# KiCad board Luminography.kicad_pcb
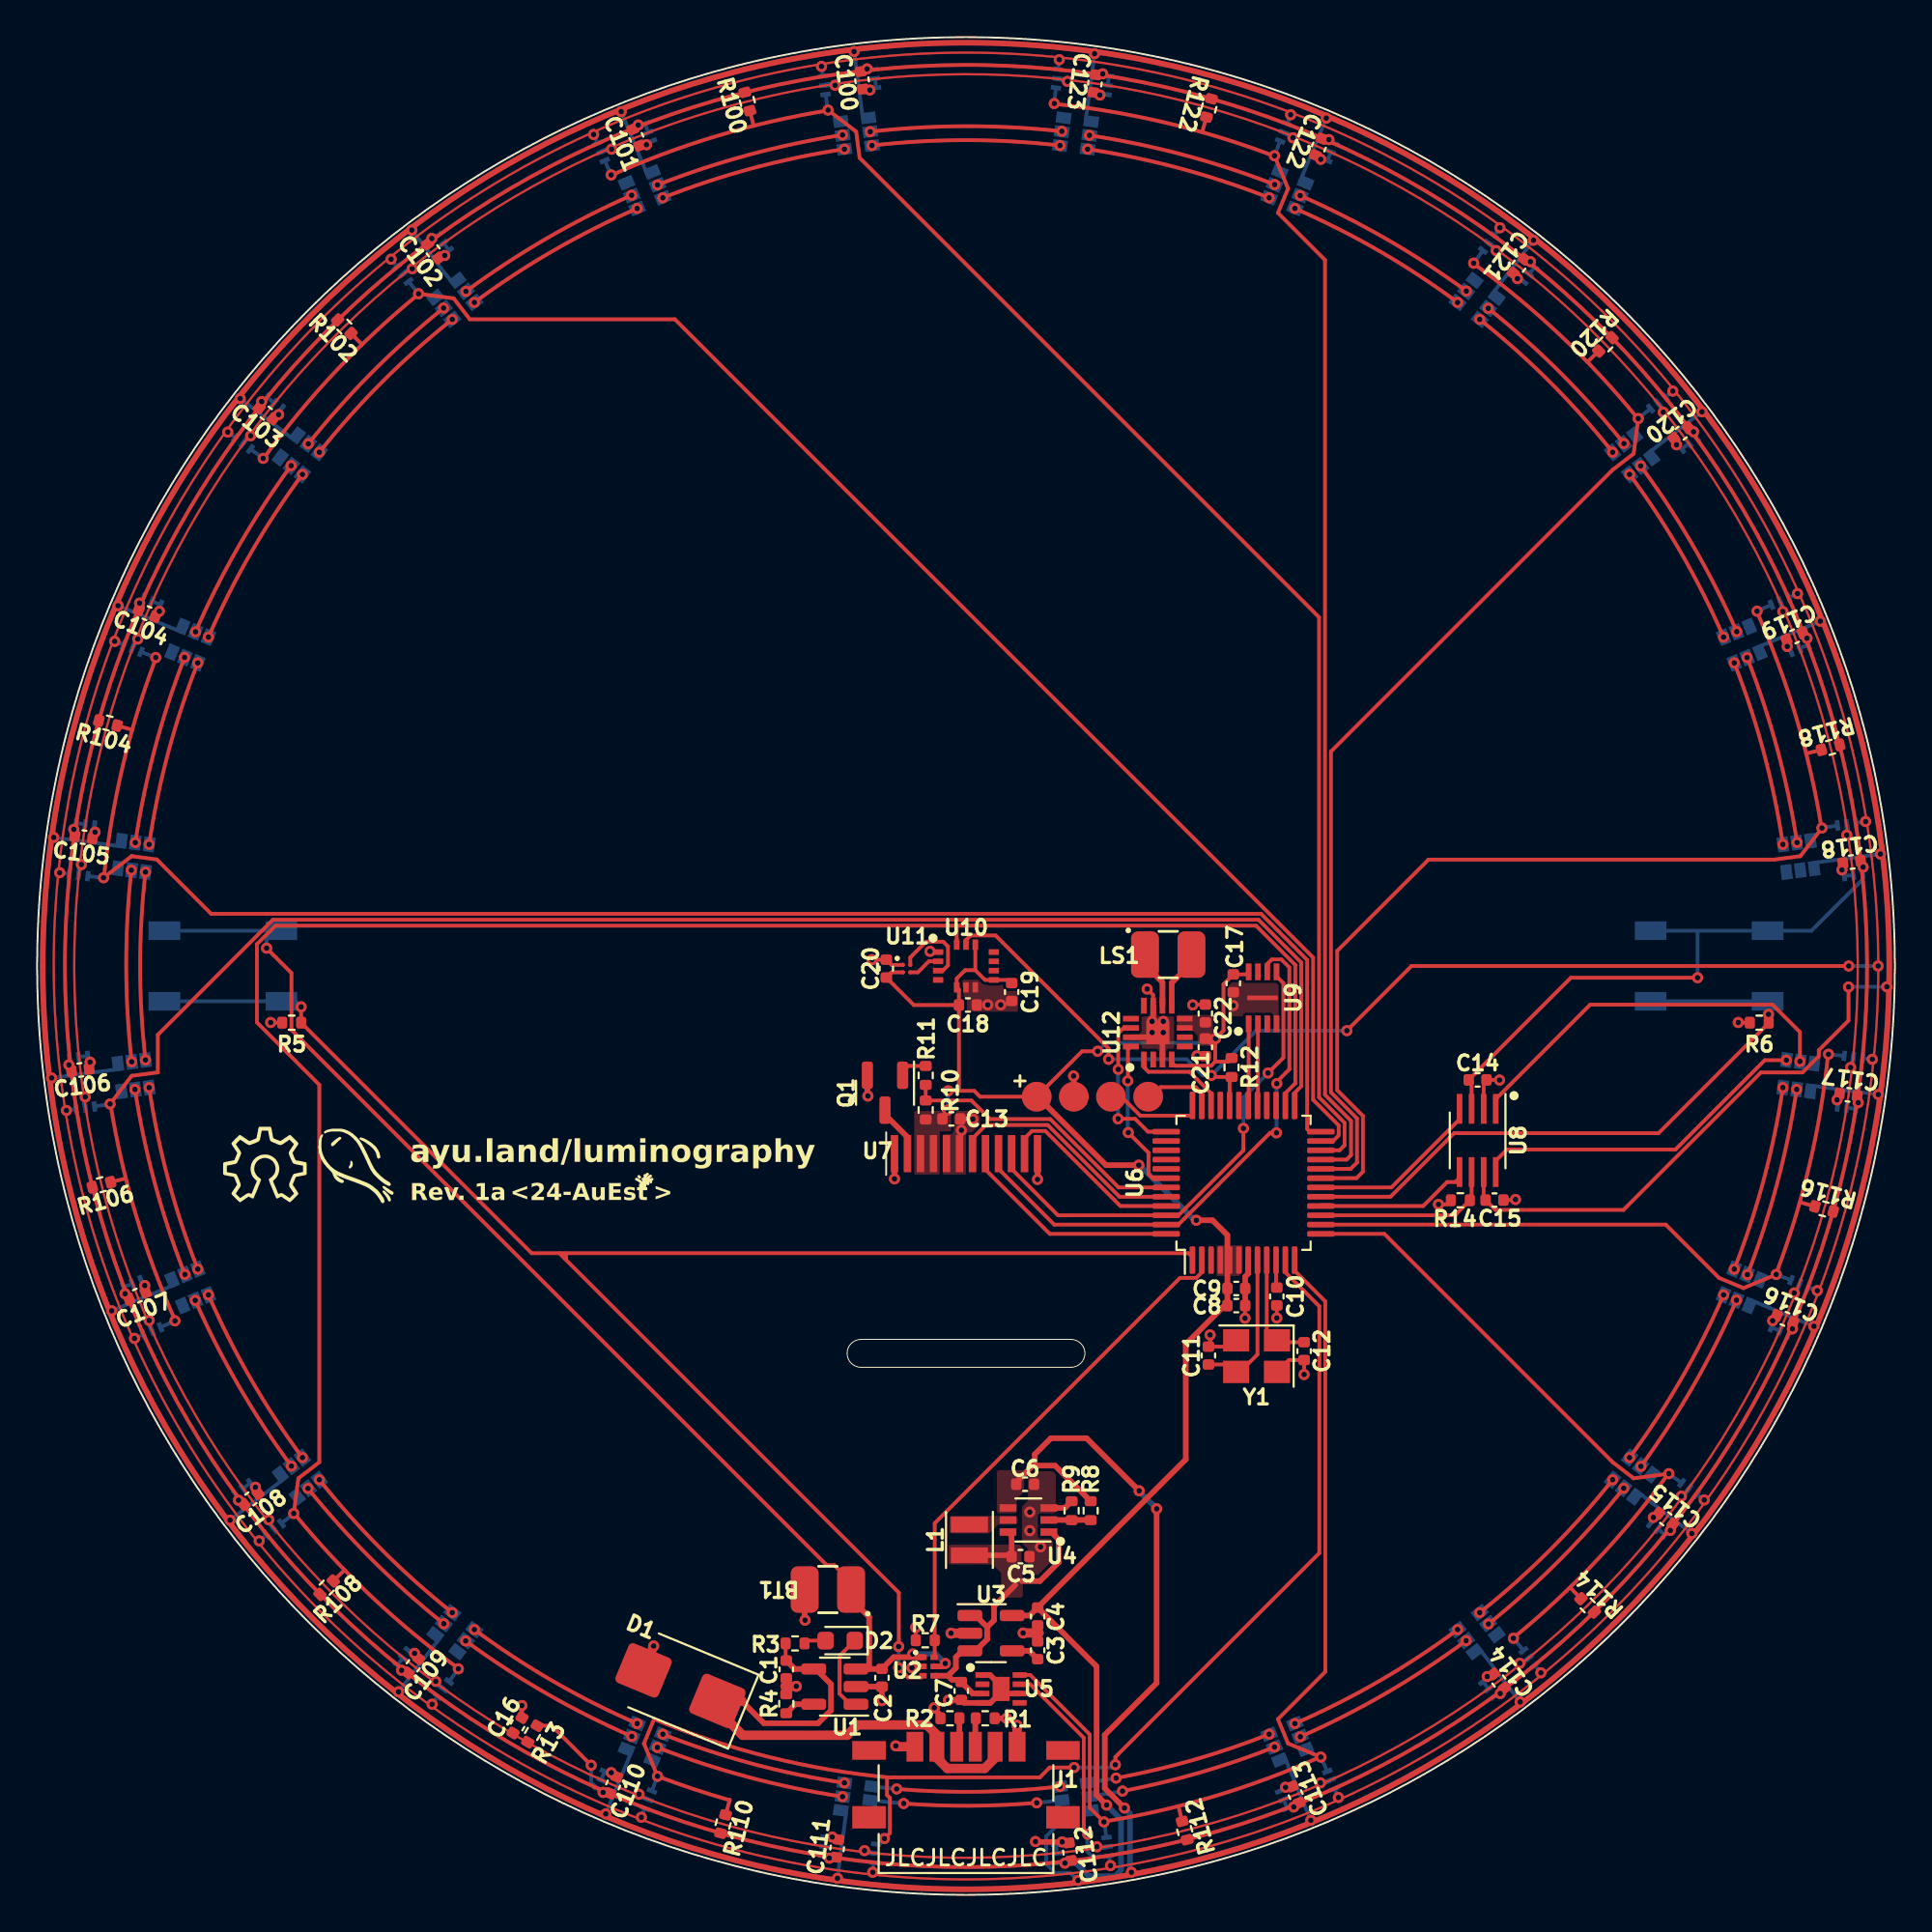
[diagram p0: board, top side]
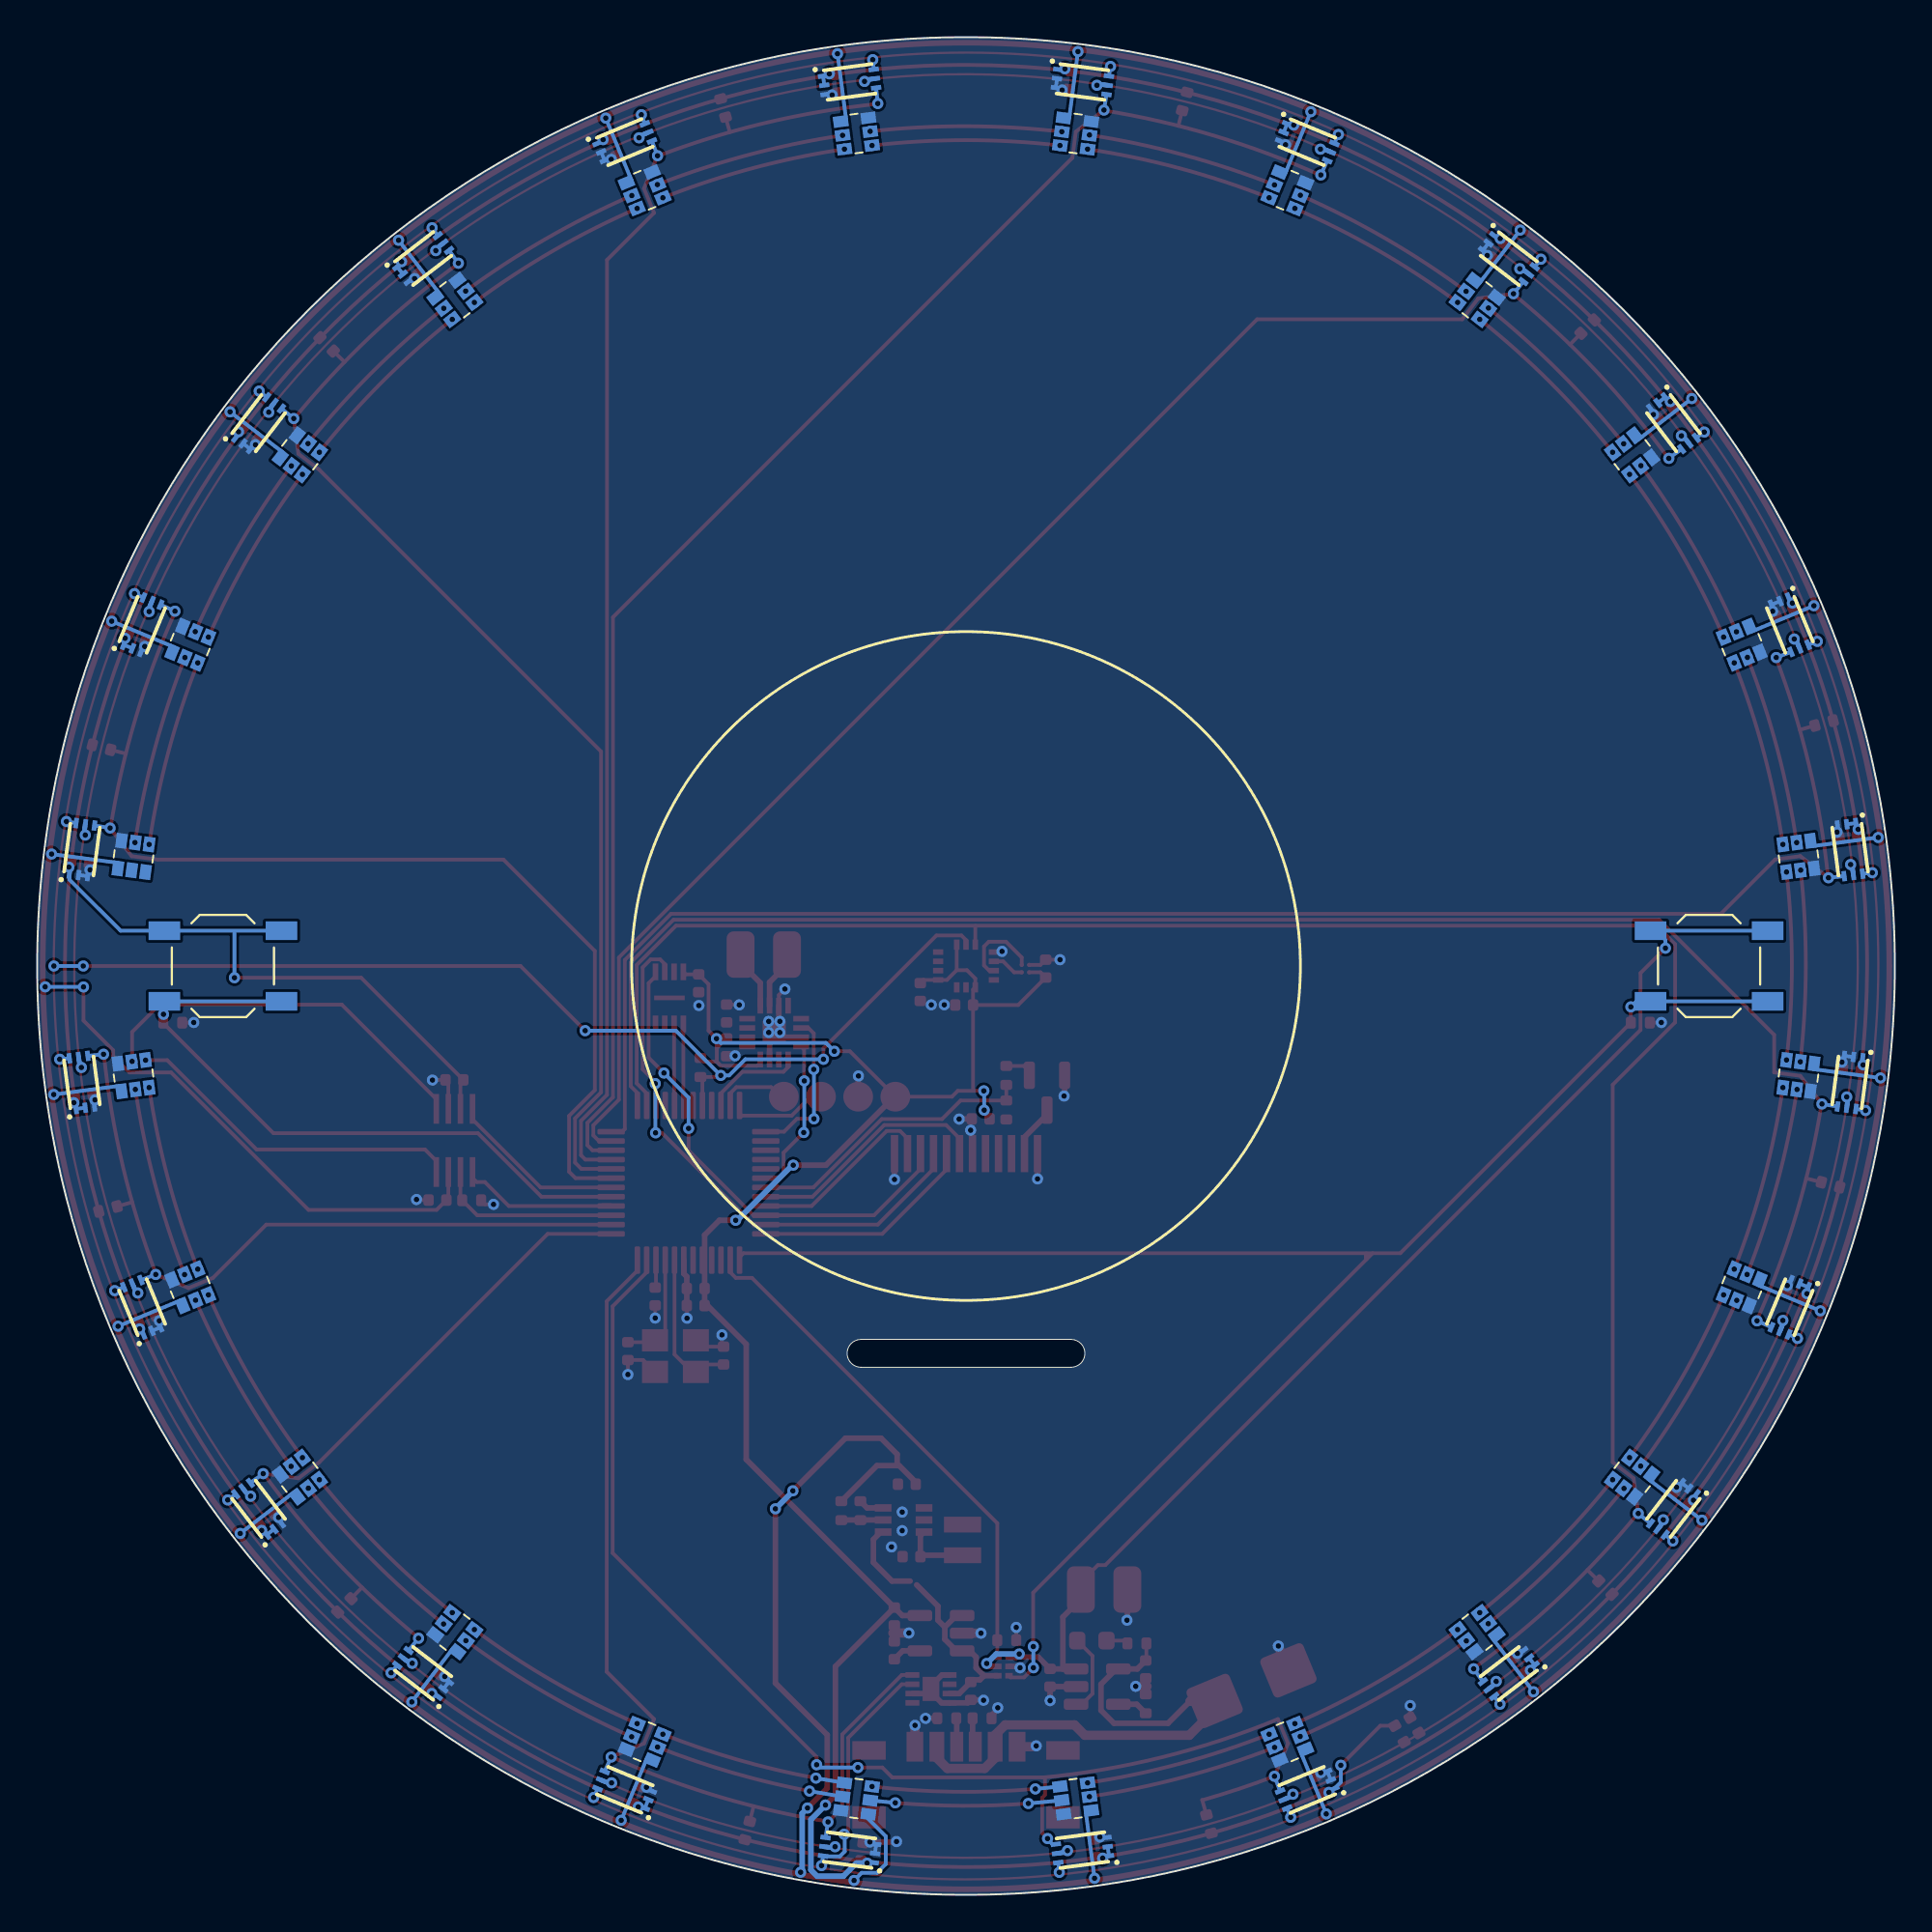
[diagram p1: board, bottom side, seen from below]

Outline 100 x 100 mm; copper layers: Top, Bottom. Coordinates in mm from the lower left corner of the outline.
Outline path: circle c50,50 r50
Stack: Top 0.035mm / dielectric 1.51mm FR4 er 4.5 / Bottom 0.035mm

## Placement (name value [footprint] x y rotation side)
BT1  LiPo  [Pads_1x02_P2.5]  42.56 16.43 180 top
C1  4.7u  [C_0402_1005Metric]  40.32 12.13 270 top
C2  10u  [C_0402_1005Metric]  45.47 11.68 270 top
C3  10n  [C_0402_1005Metric]  53.86 13.16 90 top
C4  4.7u  [C_0402_1005Metric]  53.86 14.98 270 top
C5  10u  [C_0402_1005Metric]  52.93 18.2 0 top
C6  10u  [C_0402_1005Metric]  53.18 22.1 0 top
C7  100n  [C_0402_1005Metric]  49.74 10.97 270 top
C8  4.7u  [C_0402_1005Metric]  64.55 31.72 0 top
C9  100n  [C_0402_1005Metric]  64.55 32.64 0 top
C10  100n  [C_0402_1005Metric]  66.73 32.21 270 top
C11  6.8p  [C_0402_1005Metric]  63.05 29.03 270 top
C12  6.8p  [C_0402_1005Metric]  68.2 29.27 90 top
C13  100n  [C_0402_1005Metric]  49.21 41.77 0 top
C14  100n  [C_0402_1005Metric]  77.54 43.87 0 top
C15  100n  [C_0402_1005Metric]  78.45 37.4 0 top
C16  1u  [C_0402_1005Metric]  25.86 9.13 60 top
C17  100n  [C_0402_1005Metric]  64.39 49.07 90 top
C18  100n  [C_0402_1005Metric]  50.1 47.9 0 top
C19  100n  [C_0402_1005Metric]  52.46 48.6 270 top
C20  4.7u  [C_0402_1005Metric]  45.71 49.86 270 top
C21  10u  [C_0402_1005Metric]  62.88 45.62 270 top
C22  100n  [C_0402_1005Metric]  62.88 47.44 90 top
C100  100n  [C_0402_1005Metric]  44.4 97.68 277.5 top
C101  100n  [C_0402_1005Metric]  32.25 94.6 292.5 top
C102  100n  [C_0402_1005Metric]  21.31 88.49 307.5 top
C103  100n  [C_0402_1005Metric]  12.33 79.76 322.5 top
C104  100n  [C_0402_1005Metric]  5.91 68.99 337.5 top
C105  100n  [C_0402_1005Metric]  2.5 56.93 352.5 top
C106  100n  [C_0402_1005Metric]  2.32 44.4 7.5 top
C107  100n  [C_0402_1005Metric]  5.4 32.25 22.5 top
C108  100n  [C_0402_1005Metric]  11.51 21.31 37.5 top
C109  100n  [C_0402_1005Metric]  20.24 12.33 52.5 top
C110  100n  [C_0402_1005Metric]  31.01 5.91 67.5 top
C111  100n  [C_0402_1005Metric]  43.07 2.5 82.5 top
C112  100n  [C_0402_1005Metric]  55.6 2.32 97.5 top
C113  100n  [C_0402_1005Metric]  67.75 5.4 112.5 top
C114  100n  [C_0402_1005Metric]  78.69 11.51 127.5 top
C115  100n  [C_0402_1005Metric]  87.67 20.24 142.5 top
C116  100n  [C_0402_1005Metric]  94.09 31.01 157.5 top
C117  100n  [C_0402_1005Metric]  97.5 43.07 172.5 top
C118  100n  [C_0402_1005Metric]  97.68 55.6 187.5 top
C119  100n  [C_0402_1005Metric]  94.6 67.75 202.5 top
C120  100n  [C_0402_1005Metric]  88.49 78.69 217.5 top
C121  100n  [C_0402_1005Metric]  79.76 87.67 232.5 top
C122  100n  [C_0402_1005Metric]  68.99 94.09 247.5 top
C123  100n  [C_0402_1005Metric]  56.93 97.5 262.5 top
D1  SMBJ5.0A  [D_SMB]  34.63 11.26 157.5 top
D2  LED  [LED_0603_1608Metric]  43.22 13.68 180 top
G***  -  [LOGO]  12.26 39.32 0 top
G***#2  -  [LOGO]  17.22 39.16 0 top
J1  USB_C_Receptacle_PowerOnly_6P  [USB_C_Receptacle]  50 5.07 0 top
J2  Conn_01x04  [TestPoints_1x04_P2.0]  56.8 42.96 0 top
L1  10u  [L_Sunlord_SWPA252012S]  50.18 19.1 90 top
LS1  Speaker  [Pads_1x02_P2.5]  60.88 50.61 0 top
Q1  2N7002  [SOT-23]  45.64 43.18 270 top
R1  5.1k  [R_0402_1005Metric]  51.03 9.5 0 top
R2  5.1k  [R_0402_1005Metric]  49.13 9.5 180 top
R3  6.8k  [R_0402_1005Metric]  40.8 13.53 0 top
R4  2k  [R_0402_1005Metric]  40.32 10.28 90 top
R5  1M  [R_0402_1005Metric]  13.7 46.95 180 top
R6  1M  [R_0402_1005Metric]  92.7 46.95 180 top
R7  1M  [R_0402_1005Metric]  47.8 13.7 180 top
R8  1.8M  [R_0402_1005Metric]  56.71 20.68 270 top
R9  220k  [R_0402_1005Metric]  55.68 20.68 90 top
R10  1M  [R_0402_1005Metric]  47.83 42.25 90 top
R11  100  [R_0402_1005Metric]  47.83 44.11 90 top
R12  1.8k  [R_0402_1005Metric]  64.29 44.53 270 top
R13  1k  [R_0402_1005Metric]  26.66 8.66 240 top
R14  1M  [R_0402_1005Metric]  76.61 37.39 180 top
R100  1.8k  [R_0402_1005Metric]  38.23 96.54 285 top
R102  1.8k  [R_0402_1005Metric]  16.54 84.42 315 top
R104  1.8k  [R_0402_1005Metric]  3.81 63.08 345 top
R106  1.8k  [R_0402_1005Metric]  3.46 38.23 15 top
R108  1.8k  [R_0402_1005Metric]  15.58 16.54 45 top
R110  1.8k  [R_0402_1005Metric]  36.92 3.81 75 top
R112  1.8k  [R_0402_1005Metric]  61.77 3.46 105 top
R114  107  [R_0402_1005Metric]  83.46 15.58 135 top
R116  1.8k  [R_0402_1005Metric]  96.19 36.92 165 top
R118  1.8k  [R_0402_1005Metric]  96.54 61.77 195 top
R120  1.8k  [R_0402_1005Metric]  84.42 83.46 225 top
R122  1.8k  [R_0402_1005Metric]  63.08 96.19 255 top
SW1  SW_Push  [SW_SPST_TL3342]  10 50 180 bottom
SW2  SW_Push  [SW_SPST_TL3342]  90 50 180 bottom
U1  LTC4054ES5-4.2  [TSOT-23-5]  42.94 11.21 180 top
U2  -  [XS3A1T3157GMX]  47.98 12.29 0 top
U3  SPX3819M5-L-3-3  [SOT-23-5]  51.34 14.08 0 top
U4  TPS61220DCK  [Texas_R-PDSO-G6]  53.36 20.18 180 top
U5  MAX17048G+T10  [SON50P200X200X80-9N-D]  51.88 11.08 0 top
U6  STM32G030C8Tx  [LQFP-48_7x7mm_P0.5mm]  64.94 38.33 90 top
U7  ZJY128R-IG01  [FPC_12_P0.7]  50 50 0 top
U8  TXS0102DCT  [SSOP-8_2.95x2.8mm_P0.65mm]  77.54 40.61 270 top
U9  W25Q16JVUXIQ  [SON50P300X200X60-9N]  65.96 48.28 90 top
U10  BMI270  [QFN50P300X250X87-14N]  50 50 0 top
U11  -  [MMC5603NJ]  46.8 49.86 0 top
U12  MAX98357AETE+  [QFN50P300X300X80-17N]  60.32 46.41 90 top
U100  BH1750FVI-TR  [WSOF6]  43.73 97.59 187.5 bottom
U101  BH1750FVI-TR  [WSOF6]  31.63 94.35 202.5 bottom
U102  BH1750FVI-TR  [WSOF6]  20.78 88.08 217.5 bottom
U103  BH1750FVI-TR  [WSOF6]  11.92 79.22 232.5 bottom
U104  BH1750FVI-TR  [WSOF6]  5.65 68.37 247.5 bottom
U105  BH1750FVI-TR  [WSOF6]  2.41 56.27 262.5 bottom
U106  BH1750FVI-TR  [WSOF6]  2.41 43.73 277.5 bottom
U107  BH1750FVI-TR  [WSOF6]  5.65 31.63 292.5 bottom
U108  BH1750FVI-TR  [WSOF6]  11.92 20.78 307.5 bottom
U109  BH1750FVI-TR  [WSOF6]  20.78 11.92 322.5 bottom
U110  BH1750FVI-TR  [WSOF6]  31.63 5.65 337.5 bottom
U111  BH1750FVI-TR  [WSOF6]  43.73 2.41 352.5 bottom
U112  BH1750FVI-TR  [WSOF6]  56.27 2.41 7.5 bottom
U113  BH1750FVI-TR  [WSOF6]  68.37 5.65 22.5 bottom
U114  BH1750FVI-TR  [WSOF6]  79.22 11.92 37.5 bottom
U115  BH1750FVI-TR  [WSOF6]  88.08 20.78 52.5 bottom
U116  BH1750FVI-TR  [WSOF6]  94.35 31.63 67.5 bottom
U117  BH1750FVI-TR  [WSOF6]  97.59 43.73 82.5 bottom
U118  BH1750FVI-TR  [WSOF6]  97.59 56.27 97.5 bottom
U119  BH1750FVI-TR  [WSOF6]  94.35 68.37 112.5 bottom
U120  BH1750FVI-TR  [WSOF6]  88.08 79.22 127.5 bottom
U121  BH1750FVI-TR  [WSOF6]  79.22 88.08 142.5 bottom
U122  BH1750FVI-TR  [WSOF6]  68.37 94.35 157.5 bottom
U123  BH1750FVI-TR  [WSOF6]  56.27 97.59 172.5 bottom
U200  HD107S  [HD107S_2020_6]  44.1 94.81 187.5 bottom
U201  HD107S  [HD107S_2020_6]  32.7 91.76 202.5 bottom
U202  HD107S  [HD107S_2020_6]  22.48 85.86 217.5 bottom
U203  HD107S  [HD107S_2020_6]  14.14 77.52 232.5 bottom
U204  HD107S  [HD107S_2020_6]  8.24 67.3 247.5 bottom
U205  HD107S  [HD107S_2020_6]  5.19 55.9 262.5 bottom
U206  HD107S  [HD107S_2020_6]  5.19 44.1 277.5 bottom
U207  HD107S  [HD107S_2020_6]  8.24 32.7 292.5 bottom
U208  HD107S  [HD107S_2020_6]  14.14 22.48 307.5 bottom
U209  HD107S  [HD107S_2020_6]  22.48 14.14 322.5 bottom
U210  HD107S  [HD107S_2020_6]  32.7 8.24 337.5 bottom
U211  HD107S  [HD107S_2020_6]  44.1 5.19 352.5 bottom
U212  HD107S  [HD107S_2020_6]  55.9 5.19 7.5 bottom
U213  HD107S  [HD107S_2020_6]  67.3 8.24 22.5 bottom
U214  HD107S  [HD107S_2020_6]  77.52 14.14 37.5 bottom
U215  HD107S  [HD107S_2020_6]  85.86 22.48 52.5 bottom
U216  HD107S  [HD107S_2020_6]  91.76 32.7 67.5 bottom
U217  HD107S  [HD107S_2020_6]  94.81 44.1 82.5 bottom
U218  HD107S  [HD107S_2020_6]  94.81 55.9 97.5 bottom
U219  HD107S  [HD107S_2020_6]  91.76 67.3 112.5 bottom
U220  HD107S  [HD107S_2020_6]  85.86 77.52 127.5 bottom
U221  HD107S  [HD107S_2020_6]  77.52 85.86 142.5 bottom
U222  HD107S  [HD107S_2020_6]  67.3 91.76 157.5 bottom
U223  HD107S  [HD107S_2020_6]  55.9 94.81 172.5 bottom
Y1  32MHz 12pF  [Crystal_SMD_3225-4Pin_3.2x2.5mm]  65.64 29 180 top

## Library data of the parts
BT1 = -: Description: Single-cell battery
C1-C22 C100-C123 = -: Description: Unpolarized capacitor
D1 = -: Description: 200W unidirectional Transil Transient Voltage Suppressor, 5Vrwm, SMF
D2 = -: Description: Light emitting diode
J1 = -: Description: USB Power-Only 6P Type-C Receptacle connector
J2 = -: Description: Generic connector, single row, 01x04, script generated (kicad-library-utils/schlib/autogen/connector/)
L1 = -: Description: Inductor
Q1 = -: Description: N-MOSFET transistor, gate/source/drain
R1-R14 R100 R102 R104 R106 R108 R110 R112 R114 R116 R118 R120 R122 = -: Description: Resistor
SW1 SW2 = -: Description: Push button switch, generic, two pins
U1 = -: Description: Constant-current/constant-voltage linear charger for single cell lithium-ion batteries with 2.9V Trickle Charge, 4.5V to 6.5V VDD, -40 to +85 degree Celsius, TSOT-23-5
U2 = -: Description: Analog Switch ICs ANALOG & LOGIC ICS; Arrow Price/Stock: https://www.arrow.com/en/products/xs3a1t3157gmx/nexperia?region=nac; Height: 0.5; Manufacturer_Name: Nexperia; Mouser Part Number: 771-XS3A1T3157GMX; Mouser Price/Stock: https://www.mouser.co.uk/ProductDetail/Nexperia/XS3A1T3157GMX?qs=vmHwEFxEFR%252BFclv34sZ6BA%3D%3D
U3 = -: Description: 500mA Low drop-out regulator, Fixed Output 3.3V, SOT-23-5
U4 = -: Description: 400 mA Step-Up Converter, Adjustable Output Voltage, 0.7-5.5V Input Voltage, SC-70
U5 = -: Description: 3A 1-Cell/2-Cell Fuel Gauge with ModelGauge; Arrow Price/Stock: https://www.arrow.com/en/products/max17048gt10/analog-devices?region=nac; Height: 0.8; Manufacturer_Name: Analog Devices; Mouser Part Number: 700-MAX17048G+T10; Mouser Price/Stock: https://www.mouser.co.uk/ProductDetail/Analog-Devices-Maxim-Integrated/MAX17048G%2bT10?qs=D7PJwyCwLAoGnnn8jEPRBQ%3D%3D
U6 = -: Description: STMicroelectronics Arm Cortex-M0+ MCU, 64KB flash, 8KB RAM, 64 MHz, 2.0-3.6V, 43 GPIO, LQFP48
U8 = -: Description: 2-Bit Bidirectional Voltage-Level Shifter for Open-Drain and Push-Pull Application, SSOP-8
U9 = -: Description: 16M-bit Serial Flash Memory with uniform 4KB sectors and Dual/Quad SPI; Height: 0.6; Manufacturer_Name: Winbond
U10 = -: Description: IMUs - Inertial Measurement Units Smart Ultra-Low Power Inertial Measurement Unit (IMU) for Wearable Applications; Arrow Price/Stock: https://www.arrow.com/en/products/bmi270/bosch?region=nac; Height: 0.87; Manufacturer_Name: BOSCH; Mouser Part Number: 262-BMI270; Mouser Price/Stock: https://www.mouser.co.uk/ProductDetail/Bosch-Sensortec/BMI270?qs=u16ybLDytRYIj%252BjQEee88A%3D%3D
U11 = -: Description: Magnetic Sensors SMD RoHS; Arrow Price/Stock: https://www.arrow.com/en/products/mmc5603nj/memsic?region=nac; Height: 0.6; Manufacturer_Name: MEMSIC; Mouser Part Number: 438-MMC5603NJ; Mouser Price/Stock: https://www.mouser.co.uk/ProductDetail/MEMSIC/MMC5603NJ?qs=B6kkDfuK7%2FDOubZFFHvcXw%3D%3D
U12 = -: Description: MAXIM INTEGRATED PRODUCTS - MAX98357AETE+ - AMPLIFIER, CLASS-D, 1-CH, 3.2W, TQFN-16; Height: 0.8; Manufacturer_Name: Analog Devices; Mouser Part Number: 700-MAX98357AETE+; Mouser Price/Stock: https://www.mouser.co.uk/ProductDetail/Analog-Devices-Maxim-Integrated/MAX98357AETE%2b?qs=AAveGqk956EyS6m3AmZeuw%3D%3D
U100-U123 = -: Description: Ambient Light Sensor,16bit,I2C,WSOF6I ROHM BH1750FVI-TR Ambient Light Sensor Unit Surface Mount; Arrow Price/Stock: https://www.arrow.com/en/products/bh1750fvi-tr/rohm-semiconductor; Manufacturer_Name: ROHM Semiconductor; Mouser Part Number: 755-BH1750FVI-TR; Mouser Price/Stock: https://www.mouser.co.uk/ProductDetail/ROHM-Semiconductor/BH1750FVI-TR?qs=phc6PQ%252BTPUNy88lRCs6mVA%3D%3D
Y1 = -: Description: Four pin crystal, GND on pins 2 and 4
